# KiCad board zilpzalp_solder_only.kicad_pcb
title: ilo; rev: v1.0.0; company: Unknown
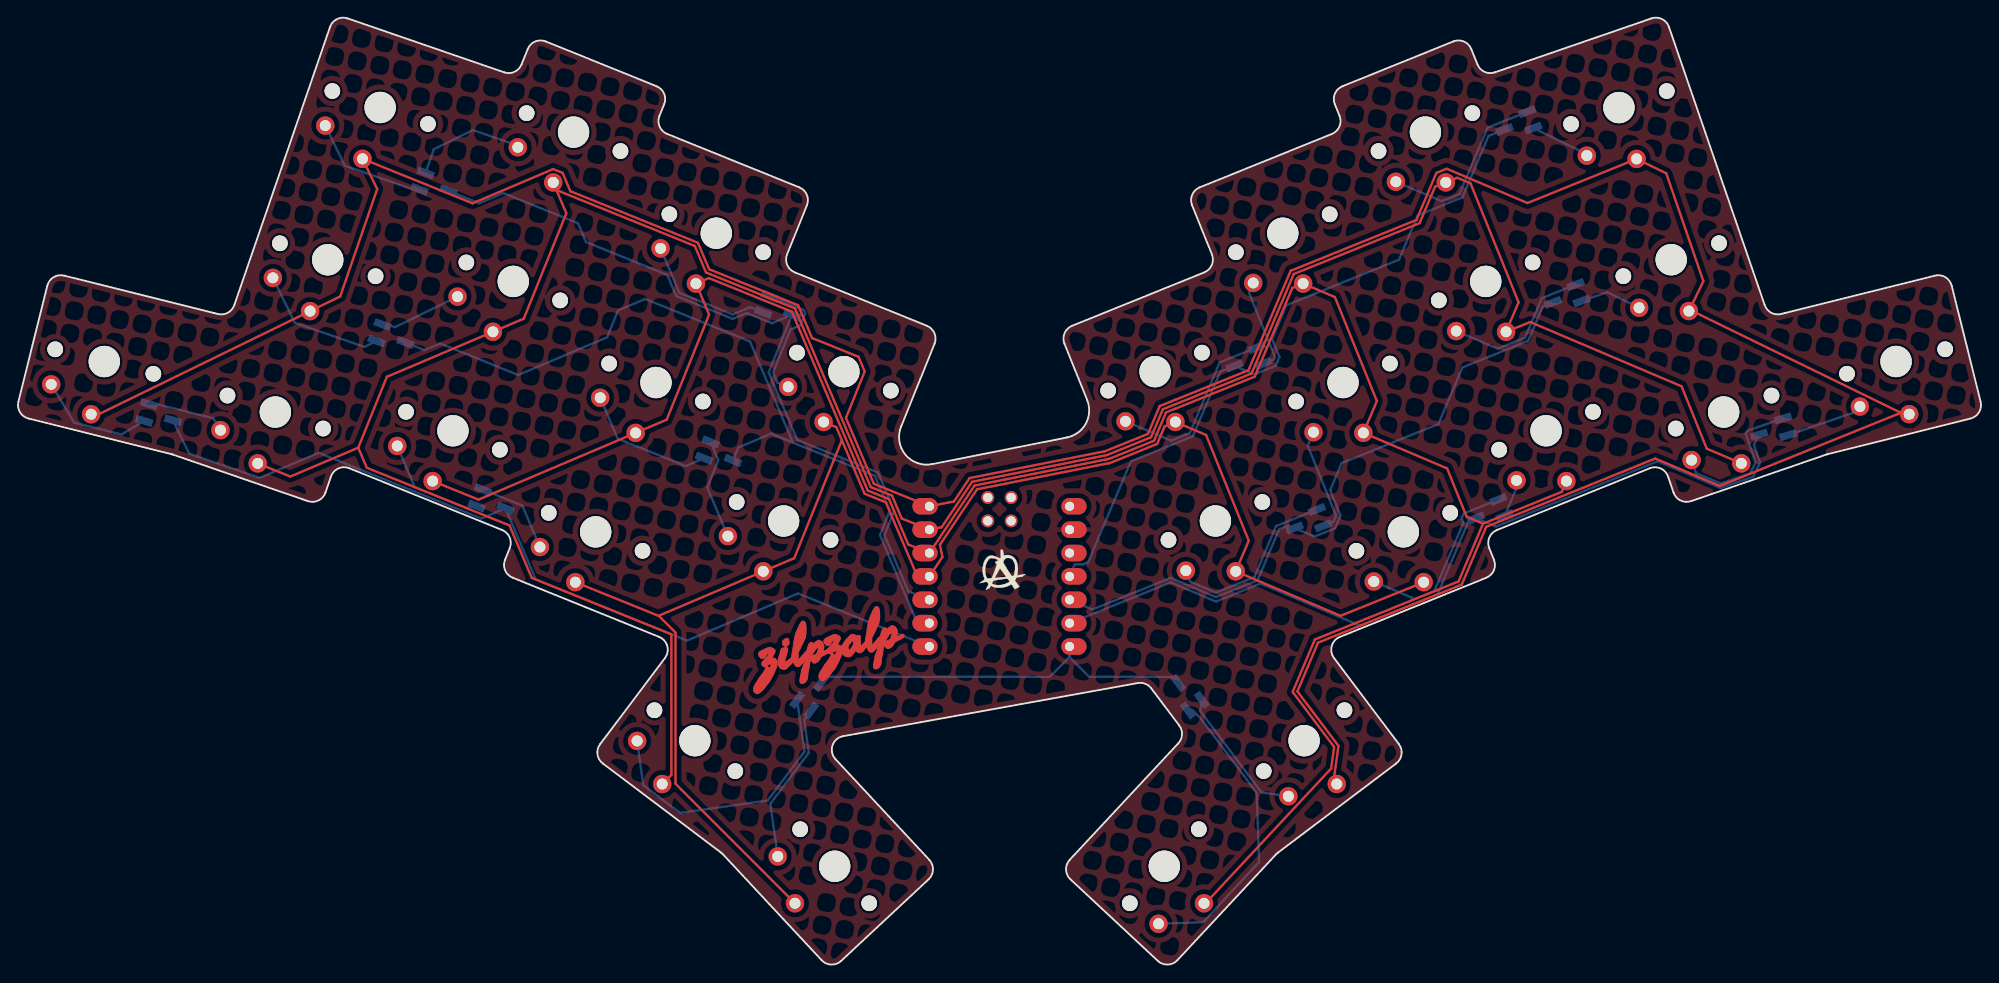
[diagram p0: board, top side]
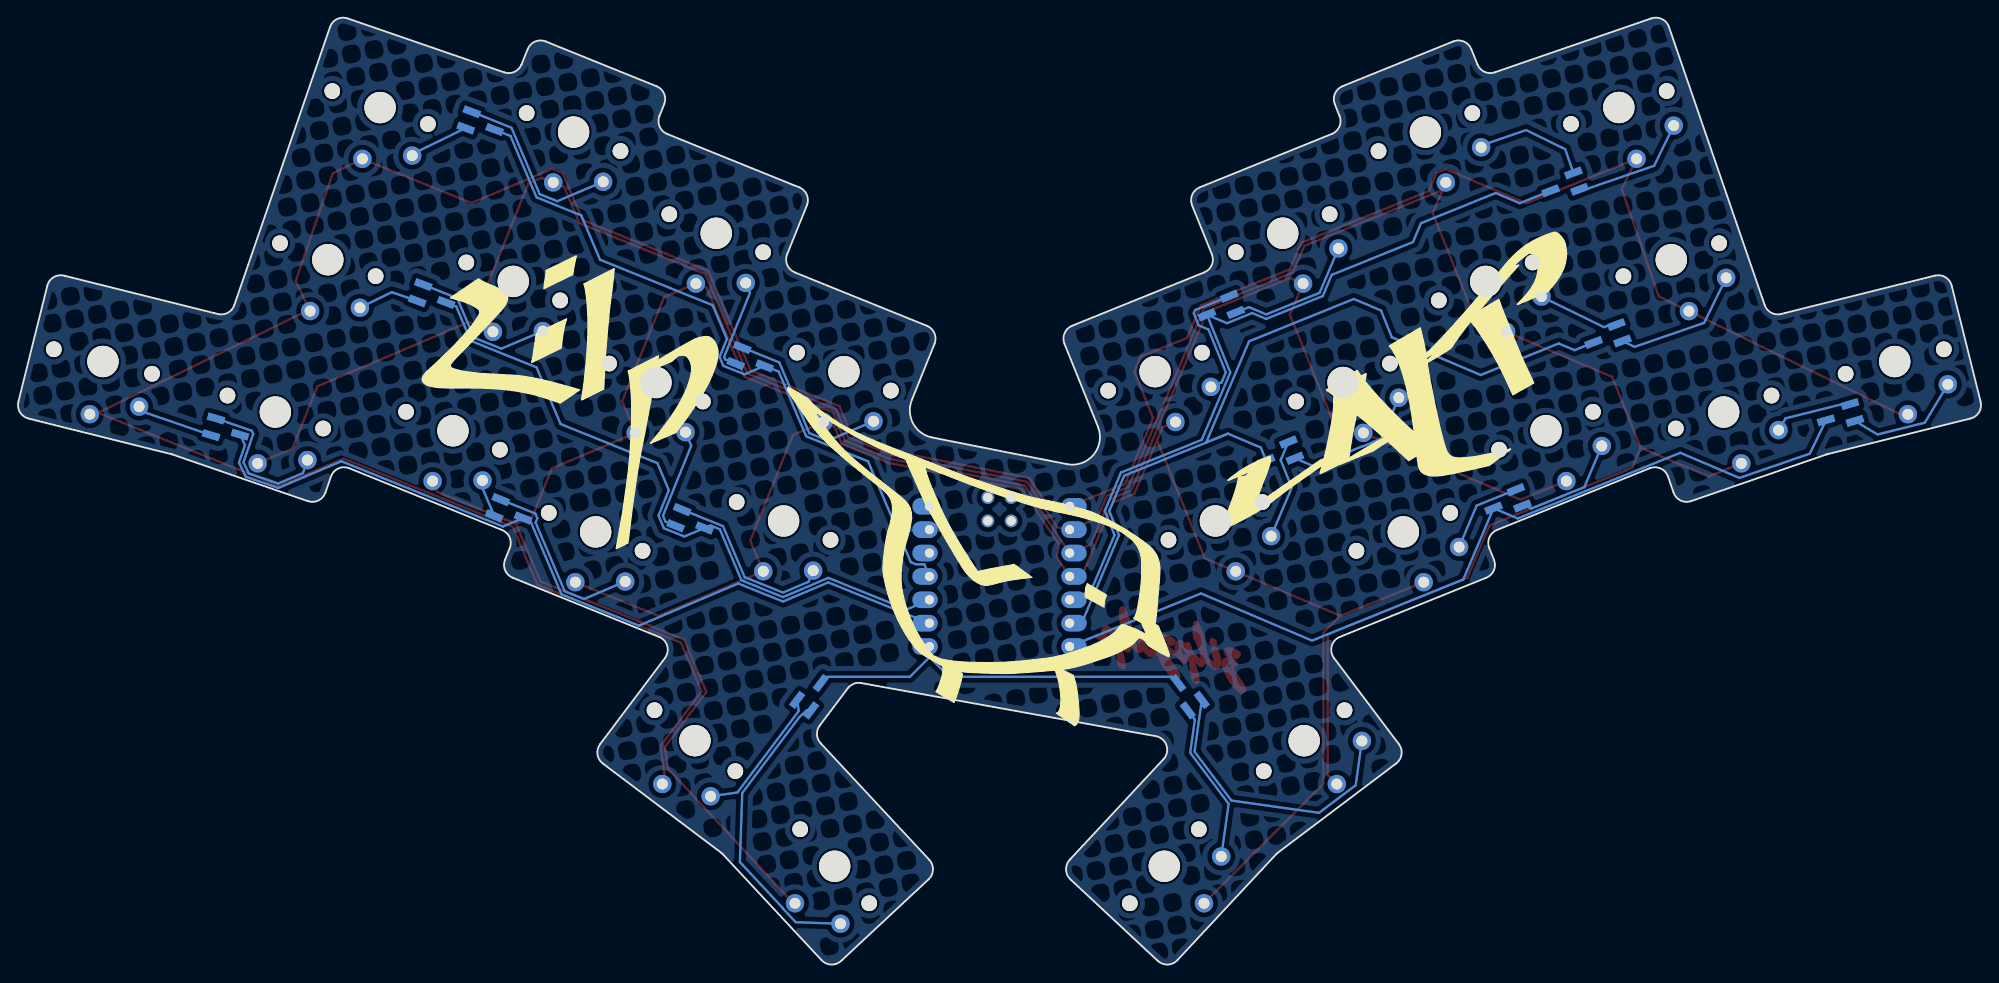
[diagram p1: board, bottom side, seen from below]

Outline 213.31 x 102.82 mm; copper layers: Top, Bottom. Coordinates in mm from the lower left corner of the outline.
Outline path: 1.09,59.34 arc(0.17,60.02) 0,61.16 3.14,73.77 arc(3.83,74.7) 4.96,74.86 21.22,70.81 21.22,70.81 21.25,70.8 21.69,70.69 arc(22.77,70.83) 23.47,71.66 33.88,101.89 arc(34.64,102.75) 35.78,102.82 52.81,96.95 arc(53.92,97.01) 54.69,97.81 55.37,99.48 arc(56.17,100.3) 57.32,100.31 69.37,95.44 arc(70.19,94.64) 70.2,93.49 69.69,92.22 arc(69.7,91.07) 70.52,90.26 84.89,84.46 arc(85.71,83.65) 85.72,82.5 83.56,77.17 arc(83.57,76.02) 84.39,75.22 98.76,69.41 arc(99.58,68.61) 99.59,67.46 95.95,58.45 arc(96.42,55.41) 99.31,54.38 113.99,57.28 arc(116.04,58.8) 116.19,61.35 113.72,67.46 arc(113.73,68.61) 114.55,69.41 128.92,75.22 arc(129.74,76.02) 129.75,77.17 127.59,82.5 arc(127.6,83.65) 128.42,84.46 142.79,90.26 arc(143.61,91.07) 143.62,92.22 143.11,93.49 arc(143.12,94.64) 143.93,95.44 155.99,100.31 arc(157.14,100.3) 157.94,99.48 158.62,97.81 arc(159.39,97.01) 160.5,96.95 177.52,102.82 arc(178.67,102.75) 179.43,101.89 189.84,71.66 arc(190.54,70.83) 191.62,70.69 192.06,70.8 192.09,70.81 192.09,70.81 208.35,74.86 arc(209.48,74.7) 210.16,73.77 213.31,61.16 arc(213.14,60.02) 212.22,59.34 196.67,55.46 arc(196.61,55.45) 196.55,55.43 181.84,50.36 arc(180.69,50.43) 179.93,51.29 179.33,53.04 arc(178.53,53.91) 177.35,53.94 160.72,47.22 arc(159.9,46.42) 159.89,45.27 160.41,43.99 arc(160.4,42.84) 159.58,42.04 143.65,35.61 arc(142.77,34.62) 143.02,33.31 150.07,23.95 arc(150.36,22.84) 149.78,21.85 136.92,12.17 arc(136.82,12.08) 136.73,11.99 125.99,0.48 arc(124.94,0) 123.87,0.4 114.36,9.27 arc(113.89,10.31) 114.29,11.39 126.1,24.05 arc(126.5,25) 126.2,25.98 123.15,30.02 arc(122.5,30.52) 121.68,30.59 89.66,24.82 arc(88.5,23.82) 88.83,22.32 99.02,11.39 arc(99.42,10.31) 98.95,9.27 89.44,0.4 arc(88.36,0) 87.32,0.48 76.58,11.99 arc(76.49,12.08) 76.39,12.17 63.53,21.85 arc(62.95,22.84) 63.24,23.95 70.29,33.31 arc(70.54,34.62) 69.65,35.61 53.73,42.04 arc(52.91,42.84) 52.9,43.99 53.42,45.27 arc(53.41,46.42) 52.59,47.22 35.96,53.94 arc(34.78,53.91) 33.98,53.04 33.38,51.29 arc(32.62,50.43) 31.47,50.36 16.76,55.43 arc(16.7,55.45) 16.64,55.46 1.09,59.34

## Placement (name value [footprint] x y rotation side)
D01  BAV70_Small  [SOT-23_Handsoldering]  45.33 84.61 339.5 bottom
D02  BAV70_Small  [SOT-23_Handsoldering]  82.71 71.18 338 bottom
D03  BAV70_Small  [SOT-23_Handsoldering]  40.66 68.13 339.5 bottom
D04  BAV70_Small  [SOT-23_Handsoldering]  76.29 55.34 338 bottom
D05  BAV70_Small  [SOT-23_Handsoldering]  15.37 59.56 343.5 bottom
D06  BAV70_Small  [SOT-23_Handsoldering]  51.56 50.16 338 bottom
D07  BAV70_Small  [SOT-23_Handsoldering]  86.32 29.39 53 bottom
D08  BAV70_Small  [SOT-23_Handsoldering]  126.99 29.39 127 bottom
D09  BAV70_Small  [SOT-23_Handsoldering]  159.83 49.09 202 bottom
D10  BAV70_Small  [SOT-23_Handsoldering]  190.66 58.01 196.5 bottom
D11  BAV70_Small  [SOT-23_Handsoldering]  140.12 48 202 bottom
D12  BAV70_Small  [SOT-23_Handsoldering]  168.22 72.48 200.5 bottom
D13  BAV70_Small  [SOT-23_Handsoldering]  133.59 65.62 202 bottom
D14  BAV70_Small  [SOT-23_Handsoldering]  162.95 91.26 200.5 bottom
SW1  SW_Push  [SW_Kailh-PG1350-1u-NoLED]  39.33 93.14 341 top
SW2  SW_Push  [SW_Kailh-PG1350-1u-NoLED]  60.35 90.46 338 top
SW3  SW_Push  [SW_Kailh-PG1350-1u-NoLED]  75.87 79.47 338 top
SW4  SW_Push  [SW_Kailh-PG1350-1u-NoLED]  89.74 64.43 338 top
SW5  SW_Push  [SW_Kailh-PG1350-1u-NoLED]  33.63 76.59 341 top
SW6  SW_Push  [SW_Kailh-PG1350-1u-NoLED]  53.8 74.24 338 top
SW7  SW_Push  [SW_Kailh-PG1350-1u-NoLED]  69.31 63.25 338 top
SW8  SW_Push  [SW_Kailh-PG1350-1u-NoLED]  83.18 48.21 338 top
SW9  SW_Push  [SW_Kailh-PG1350-1u-NoLED]  9.33 65.53 346 top
SW10  SW_Push  [SW_Kailh-PG1350-1u-NoLED]  27.93 60.04 341 top
SW11  SW_Push  [SW_Kailh-PG1350-1u-NoLED]  47.24 58.01 338 top
SW12  SW_Push  [SW_Kailh-PG1350-1u-NoLED]  62.75 47.02 338 top
SW13  SW_Push  [SW_Kailh-PG1350-1u-NoLED]  73.54 24.33 323 top
SW14  SW_Push  [SW_Kailh-PG1350-1u-NoLED]  88.74 10.69 313 top
SW15  SW_Push  [SW_Kailh-PG1350-1u-NoLED]  124.57 10.69 47 top
SW16  SW_Push  [SW_Kailh-PG1350-1u-NoLED]  139.76 24.33 37 top
SW17  SW_Push  [SW_Kailh-PG1350-1u-NoLED]  150.56 47.02 22 top
SW18  SW_Push  [SW_Kailh-PG1350-1u-NoLED]  166.07 58.01 22 top
SW19  SW_Push  [SW_Kailh-PG1350-1u-NoLED]  185.38 60.04 19 top
SW20  SW_Push  [SW_Kailh-PG1350-1u-NoLED]  204.12 65.53 14 top
SW21  SW_Push  [SW_Kailh-PG1350-1u-NoLED]  130.12 48.21 22 top
SW22  SW_Push  [SW_Kailh-PG1350-1u-NoLED]  144 63.25 22 top
SW23  SW_Push  [SW_Kailh-PG1350-1u-NoLED]  159.51 74.24 22 top
SW24  SW_Push  [SW_Kailh-PG1350-1u-NoLED]  179.67 76.6 19 top
SW25  SW_Push  [SW_Kailh-PG1350-1u-NoLED]  123.57 64.43 22 top
SW26  SW_Push  [SW_Kailh-PG1350-1u-NoLED]  137.45 79.47 22 top
SW27  SW_Push  [SW_Kailh-PG1350-1u-NoLED]  152.96 90.46 22 top
SW28  SW_Push  [SW_Kailh-PG1350-1u-NoLED]  173.99 93.13 19 top
U1  xiao  [xiao-tht]  106.65 42.18 0 top

## Library data of the parts
D01 D02 D03 D04 D05 D06 D07 D08 D09-D14 = -: Description: Dual 100V 215mA high-speed switching diodes, common cathode, SOT-23
SW1-SW28 = -: Description: Push button switch, generic, two pins

## Footprints (pads in the part's own frame, mm; a bottom-side part is the same pattern mirrored in y, then rotated)
SOT-23_Handsoldering
  rect 1.9x0.8 smd: 1(-1.5,0.95) 2(-1.5,-0.95) 3(1.5,0)
SW_Kailh-PG1350-1u-NoLED
  round 1.7 hole 1.7 unplated: (-5.5,0) (5.5,0)
  round 3.4 hole 3.4 unplated: (0,0)
  round 2 hole 1.2: 1(0,-5.9) 2(-5,-3.8)
xiao-tht
  oval 2.75x1.8 hole 1: 1(-7.62,7.62) 2(-7.62,5.08) 3(-7.62,2.54) 4(-7.62,0) 5(-7.62,-2.54) 6(-7.62,-5.08) 7(-7.62,-7.62) 8(7.62,-7.62) 9(7.62,-5.08) 10(7.62,-2.54) 11(7.62,0) 12(7.62,2.54) 13(7.62,5.08) 14(7.62,7.62)
  round 1.397 hole 1.016: 15(-1.27,8.572) 16(1.27,8.572) 17(-1.27,6.032) 18(1.27,6.032)

## Nets
gnd: U1.13
c1: SW1.1 SW5.1 SW9.1 SW16.1 SW20.1 SW24.1 SW28.1 U1.1
c2: SW2.1 SW6.1 SW10.1 SW13.1 SW19.1 SW23.1 SW27.1 U1.2
c3: SW3.1 SW7.1 SW11.1 SW15.1 SW18.1 SW22.1 SW26.1 U1.3
c4: SW4.1 SW8.1 SW12.1 SW14.1 SW17.1 SW21.1 SW25.1 U1.4
r1: D01.3 D02.3 U1.5
r2: D03.3 D04.3 U1.6
r3: D05.3 D06.3 U1.7
r4: D07.3 D08.3 U1.8
r5: D09.3 D10.3 U1.9
r6: D11.3 D12.3 U1.10
r7: D13.3 D14.3 U1.11
Net-(D01-A1): D01.1 SW1.2
Net-(D01-A2): D01.2 SW2.2
Net-(D02-A1): D02.1 SW3.2
Net-(D02-A2): D02.2 SW4.2
Net-(D03-A1): D03.1 SW5.2
Net-(D03-A2): D03.2 SW6.2
Net-(D04-A1): D04.1 SW7.2
Net-(D04-A2): D04.2 SW8.2
Net-(D05-A1): D05.1 SW9.2
Net-(D05-A2): D05.2 SW10.2
Net-(D06-A1): D06.1 SW11.2
Net-(D06-A2): D06.2 SW12.2
Net-(D07-A1): D07.1 SW14.2
Net-(D07-A2): D07.2 SW13.2
Net-(D08-A1): D08.1 SW16.2
Net-(D08-A2): D08.2 SW15.2
Net-(D09-A1): D09.1 SW17.2
Net-(D09-A2): D09.2 SW18.2
Net-(D10-A1): D10.1 SW19.2
Net-(D10-A2): D10.2 SW20.2
Net-(D11-A1): D11.1 SW21.2
Net-(D11-A2): D11.2 SW22.2
Net-(D12-A1): D12.1 SW23.2
Net-(D12-A2): D12.2 SW24.2
Net-(D13-A1): D13.1 SW25.2
Net-(D13-A2): D13.2 SW26.2
Net-(D14-A1): D14.1 SW27.2
Net-(D14-A2): D14.2 SW28.2

Pads without a net: U1 12 14 15 16 17 18

## Routing (per net, layer and track width the routed paths; a pad name or vN(x,y) marks a point on that pad's centre or on a via; arc(x,y) is an arc through that point)
c1: length 363.8
  Top w0.25: 142.82,20.08 SW16.1 142.98,20.06 143.5,23.77 139.04,29.69 141.28,34.98 156.9,41.29 159.56,47.57 177.93,54.99 184.95,52.01 204.92,60.08 SW20.1 205.19,59.69 181.81,71.09 SW24.1 183.17,74.25 179.14,85.98 SW28.1 164.04,82.75 155.27,86.48 154.15,86.03 151.98,80.91 138.31,75.39 133.72,64.59 125.8,61.39 125.8,61.39 124.08,60.69 122.79,57.67 118.13,55.78 103.4,52.87 101.7,50.33 U1.1 93,52.24 89.96,59.4 92,64.45 91.33,66.04 86.27,68.09 84.76,71.65 75.09,75.55 73.87,78.44 60,84.04 59.16,86.03 58.13,86.44 49.37,82.72 SW1.1 39,84.28 34.99,72.61 SW5.1 8.39,59.64 SW9.1
c2: length 296.5
  Top w0.25: 36.94,56.17 37.87,53.99 53.39,47.72 55.81,42.02 70.99,35.89 70.99,20.62 SW13.1 ; 36.94,56.17 40.06,63.87 SW6.1 54.94,70.19 59.56,81.64 SW2.1 58.49,84.16 73.53,78.09 74.75,75.2 84.42,71.3 92.66,51.89 94.97,50.96 96.03,48.48 U1.2 100.37,47.53 103.67,52.46 118.31,55.36 123.13,57.31 124.42,60.35 125.79,60.9 125.8,60.9 134.06,64.24 138.65,75.04 152.32,80.57 154,84.52 156.42,85.5 157.86,84.89 163.08,71.97 SW23.1 164.34,69.82 180.8,62.84 183.54,56.06 SW19.1 ; 36.94,56.17 29.55,53.03 SW10.1
c3: length 248.3
  Top w0.25: 159.22,47.91 157.43,48.67 155.32,53.91 SW22.1 147.68,61.24 143.12,72.53 SW26.1 138.49,73.53 134.4,63.89 125.79,60.41 125.79,60.41 124.76,60 123.45,56.92 118.58,54.95 103.94,52.06 U1.3 96.74,45.65 94.65,50.57 92.33,51.51 84.08,70.95 75.05,74.6 SW3.1 75.09,70.63 70.47,59.21 SW7.1 50.01,50.53 SW11.1 ; 159.22,47.91 167.78,51.37 SW18.1 ; 159.22,47.91 156.56,41.64 140.94,35.33 138.53,29.65 138.56,29.57 142.98,23.72 143.03,23.6 142.7,21.31 129.05,6.67 SW15.1
c4: length 175.1
  Top w0.25: 89.52,56.98 88.92,58.4 SW4.1 ; 89.52,56.98 84.34,44.16 SW8.1 69.58,37.9 ; 89.52,56.98 91.99,51.16 94.31,50.23 97.45,42.82 U1.4 100.44,44.29 100.18,45.62 104.21,51.65 118.53,54.49 118.57,54.47 123.8,56.58 124.61,58.49 SW25.1 129.11,57.55 133.75,46.07 SW21.1 143.73,37.9 SW17.1 ; 69.58,37.9 SW12.1 ; 69.58,37.9 69.61,37.9 71.44,36.07 71.44,19.65 SW14.1
r1: length 83.7
  Bottom w0.25: D01.3 50.08,82.73 52.7,83.84 60.84,80.56 61.71,78.51 70.54,74.94 71.52,72.64 77.66,70.16 79.18,70.8 81.92,69.69 D02.3 81.56,64.34 84.67,57.01 93.44,53.47 95.21,49.31 94.15,46.67 96.74,40.57 U1.5
r2: length 92.8
  Bottom w0.25: D03.3 44.14,66.77 45.86,67.49 54.34,64.07 64.01,68.17 65.18,71.08 68.13,72.33 79.53,67.72 84.19,56.74 81.82,57.7 ; U1.6 97.45,37.74 93.66,46.67 94.72,49.3 93.1,53.12 81.8,57.69 78.24,56.18 D04.3
r3: length 95.7
  Bottom w0.25: D05.3 18.57,55.52 26.21,52.88 32.64,55.61 50.31,48.47 D06.3 56.24,41.85 72.67,35.21 84.75,40.33 U1.7
r4: length 43.5
  Bottom w0.25: D08.3 125.41,31.27 116.4,31.27 114.27,33.39 U1.8 114.27,33.43 112.11,31.27 87.9,31.27 D07.3
r5: length 90.3
  Bottom w0.25: D10.3 188.67,56.46 189.33,54.54 188.58,53.01 185.04,51.79 178.2,54.7 160.63,47.6 D09.3 157.65,48.21 154.26,40.23 145.85,36.83 135.05,41.41 130.18,39.45 125.26,41.53 114.29,37.1 U1.9
r6: length 73.3
  Bottom w0.25: U1.10 116.75,38.59 125.25,42.02 130.18,39.93 134.7,41.76 137.06,47.31 138.08,47.72 140.91,46.51 143.15,47.42 143.73,48.78 142.6,51.56 143.84,54.49 154.37,58.74 156.98,64.89 164.13,67.78 165.71,71.51 D12.3
r7: length 76.2
  Bottom w0.25: D14.3 159.81,90.04 156.99,83.38 152.12,81.41 150.08,76.6 137.84,71.65 136.29,67.99 137.08,66.02 136.67,65.06 134.38,64.13 D13.3 130.66,64.44 130.07,63.04 127.67,57.41 120.94,54.69 116.29,43.72 115.73,43.5 114.83,43.5 U1.11
Net-(D01-A1): length 13.5
  Bottom w0.25: 33.37,91.16 35.49,86.8 43.15,84.16 43.66,84.41
Net-(D01-A2): length 12.5
  Bottom w0.25: 54.36,88.98 49.41,90.68 45.16,88.61 44.33,86.19
Net-(D02-A1): length 15.1
  Bottom w0.25: SW3.2 71.86,72.99 77.66,70.65 79.53,71.44 D02.1
Net-(D02-A2): length 14.4
  Bottom w0.25: SW4.2 82.51,63.25 82.05,64.35 83.93,69.01 85.01,69.46 85.53,70.77 85.38,71.13 D02.2
Net-(D03-A1): length 14.9
  Bottom w0.25: 38.94,67.77 37.61,67.12 30.05,69.73 27.67,74.61
Net-(D03-A2): length 8.9
  Bottom w0.25: 47.75,72.59 40.93,69.27 39.66,69.71
Net-(D04-A1): length 15
  Bottom w0.25: D04.1 72.53,54.17 67.15,56.34 67.11,56.33 66.08,56.74 66.07,56.78 65.14,57.16 SW7.2
Net-(D04-A2): length 11
  Bottom w0.25: D04.2 76.09,54.82 74.88,51.84 77.03,46.79 77.19,46.72
Net-(D05-A1): length 13
  Bottom w0.25: 13.69,59.1 11.2,57.6 6.07,58.88 3.58,63.02
Net-(D05-A2): length 8.6
  Bottom w0.25: 14.27,61.06 14.29,61.08 21.2,59.36 21.84,58.29 22.03,58.24
Net-(D06-A1): length 12.2
  Bottom w0.25: SW11.2 43.08,51.88 48.83,49.56 49.88,50
Net-(D06-A2): length 9.5
  Bottom w0.25: 56.76,45.54 56.6,45.6 54.78,49.88 50.69,51.53 50.59,51.76
Net-(D07-A1): length 17.6
  Bottom w0.25: D07.1 85.42,26.61 85.92,23.02 81.74,17.47 SW14.2
Net-(D07-A2): length 31.8
  Bottom w0.25: D07.2 85.45,23.14 81.45,17.83 71.91,16.49 67.94,19.49 SW13.2
Net-(D08-A1): length 15.2
  Bottom w0.25: SW16.2 135.15,18.7 128.48,27.55 D08.1
Net-(D08-A2): length 33.2
  Bottom w0.25: D08.2 127.61,27.64 128.42,26.89 134.62,18.66 134.88,11.15 130.25,6.18 130.25,6.15 128.8,4.61 SW15.2
Net-(D09-A1): length 20.4
  Bottom w0.25: SW17.2 151.82,39.73 153.92,40.57 157.09,48.02 156.89,48.5 157.11,49.01 D09.1 160.88,50.55 160.88,50.54 160.87,50.53
Net-(D09-A2): length 4.2
  Bottom w0.25: SW18.2 163.03,52.18 D09.2
Net-(D10-A1): length 16.9
  Bottom w0.25: SW19.2 182.37,53.41 185.06,52.27 188.26,53.38 188.84,54.57 187.78,57.66 187.95,58.02 D10.1
Net-(D10-A2): length 8.6
  Bottom w0.25: SW20.2 199.94,60.14 D10.2
Net-(D11-A1): length 19.6
  Bottom w0.25: SW21.2 127.4,41.6 130.18,40.42 134.36,42.11 136.72,47.65 D11.1
Net-(D11-A2): length 11.7
  Bottom w0.25: D11.2 142.96,48.13 143.24,48.78 140.17,56.39 SW22.2
Net-(D12-A1): length 16.7
  Bottom w0.25: SW23.2 160.81,66.92 163.79,68.13 165.6,72.41 D12.1
Net-(D12-A2): length 6.8
  Bottom w0.25: SW24.2 172.71,73.07 D12.2
Net-(D13-A1): length 20.3
  Bottom w0.25: D13.1 130.59,65.44 127.33,57.75 125.31,56.93 SW25.2
Net-(D13-A2): length 10.2
  Bottom w0.25: SW26.2 133.78,73 136.6,66.03 136.49,65.77 D13.2
Net-(D14-A1): length 20
  Bottom w0.25: D14.1 159.71,90.93 156.65,83.73 154.73,82.95 SW27.2
Net-(D14-A2): length 6.6
  Bottom w0.25: SW28.2 170.44,88.09 D14.2

## Copper pours and planes (outline as drawn; the poured copper is in the pictures)
gnd on Top, Bottom: 90.91,23.96 121.91,29.76 124.51,25.96 109.41,9.96 124.01,-3.44 137.41,11.26 153.61,23.76 145.61,35.36 164.31,43.16 162.71,46.96 176.11,52.16 178.21,47.96 196.91,54.46 217.21,59.16 212.61,78.26 192.51,73.56 181.61,106.96 161.81,100.36 160.11,104.76 138.01,96.16 139.61,91.96 123.31,85.16 126.11,76.76 109.21,69.66 113.01,59.66 100.01,57.46 104.01,70.46 87.31,76.76 90.21,85.26 73.01,91.56 74.71,96.46 53.51,104.26 51.71,100.06 31.71,106.66 20.91,73.96 0.51,78.26 -4.49,58.66 16.01,53.76 35.21,47.26 37.01,51.16 50.21,46.66 49.31,42.16 66.71,34.76 59.01,24.96 75.51,11.56 89.61,-3.54 104.01,9.46

Small or netless copper shapes (teardrops, artwork), in the pictures only: 9 on Top
